# KiCad board apple-color-monitor-iie-a2m2056.kicad_pcb
title: Apple ColorMonitor IIe (A2M2056) "S Series"; date: 2026-06; rev: 42; company: Reverse engineered by Fred Sauer, 2026. Published under Apache 2 license.; note: https://github.com/fredsa/apple-color-monitor-iie-a2m2056; note: Measurements taken from working monitor display color bars on Apple II plus.; note: Flyback configuration possibly incorrect. Many component values unspecified.; note: CHASSIS NO.: TWE 3003-705-910, REV: 4
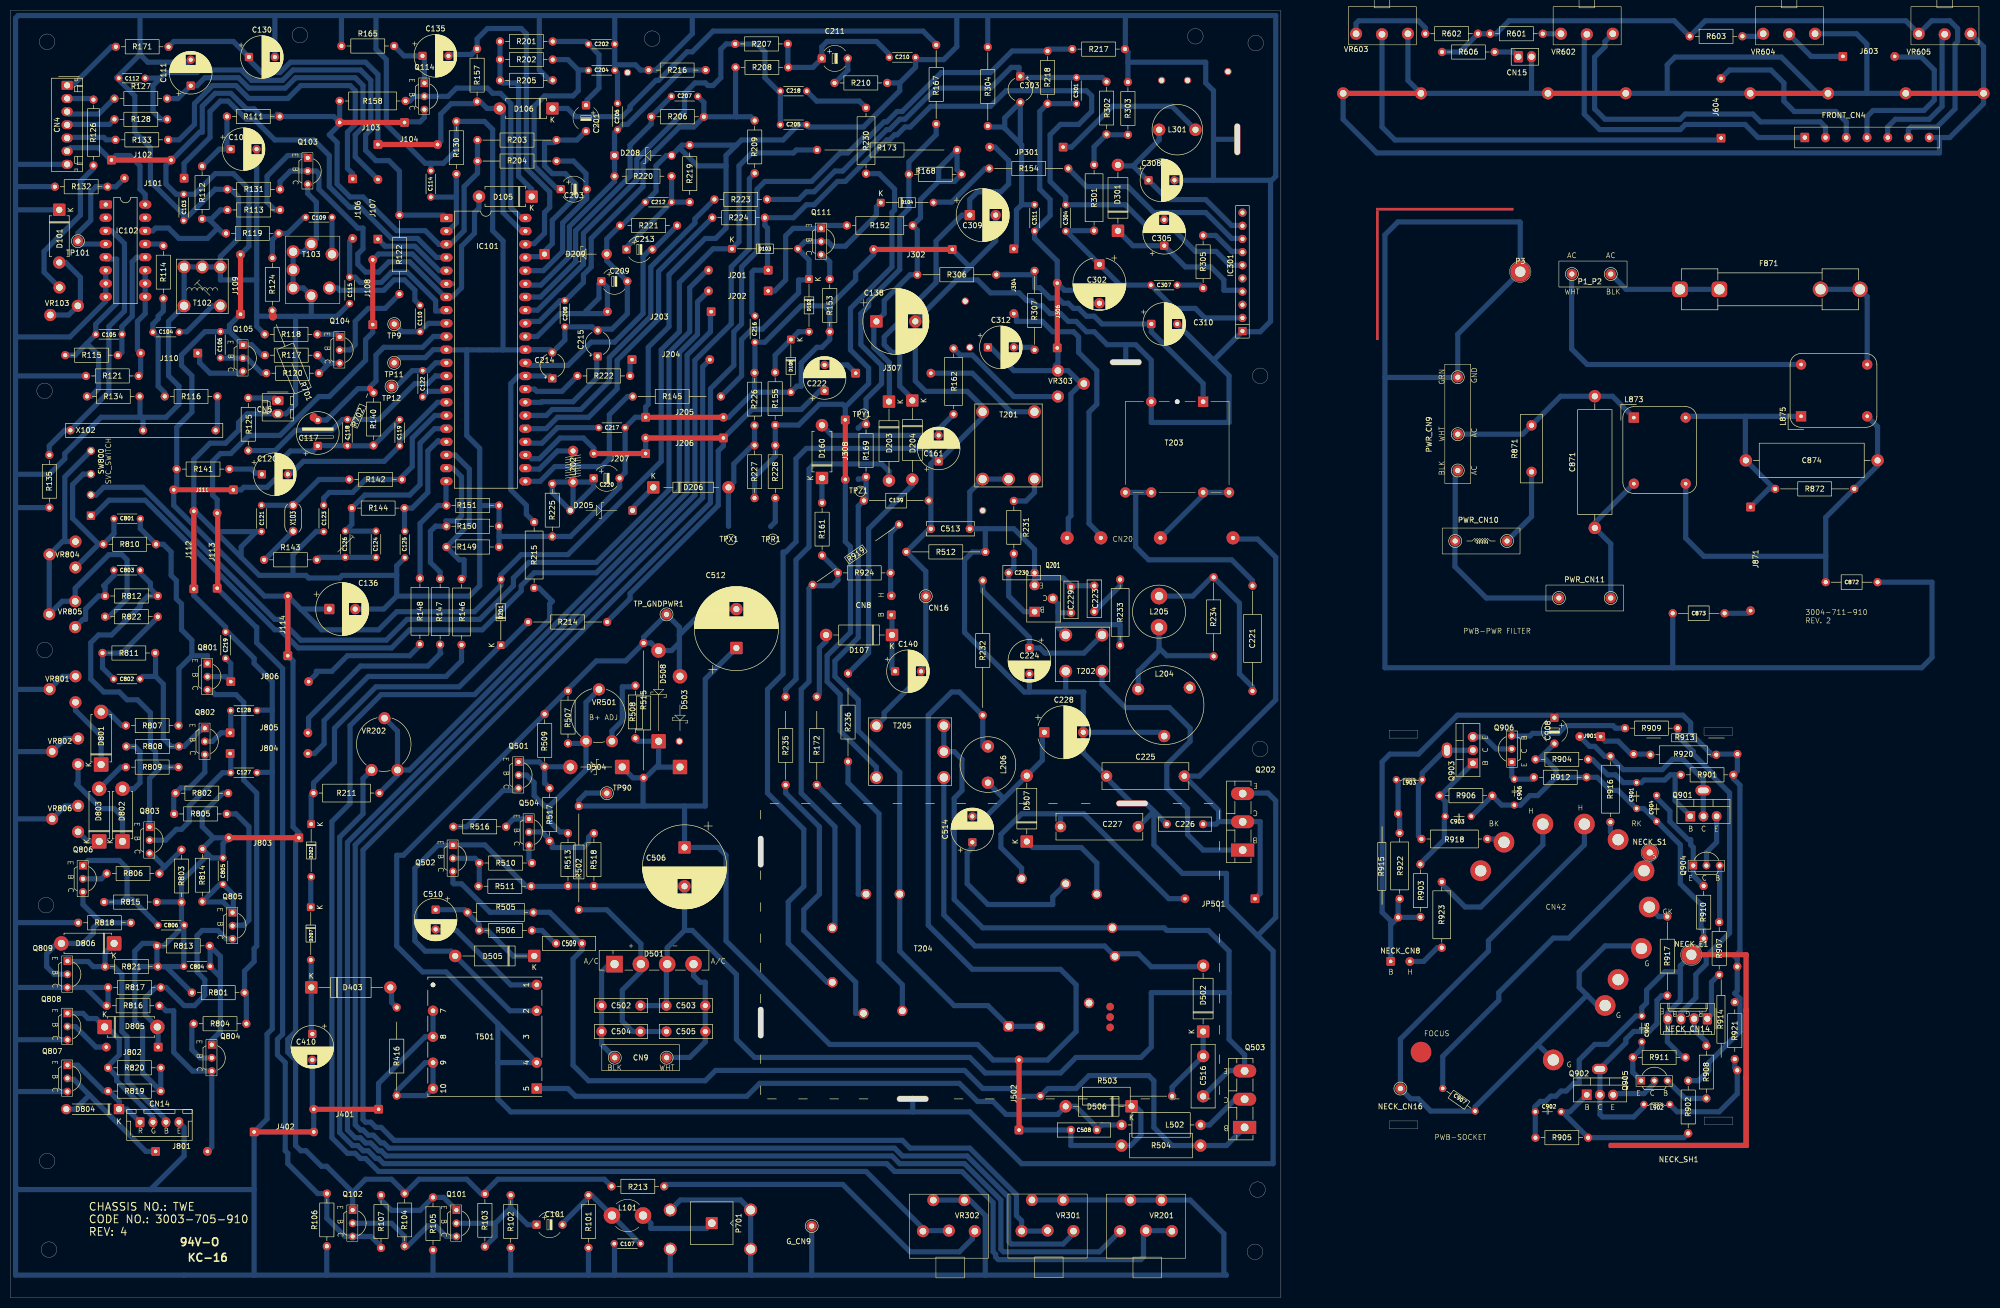
[diagram p0: board, top side]
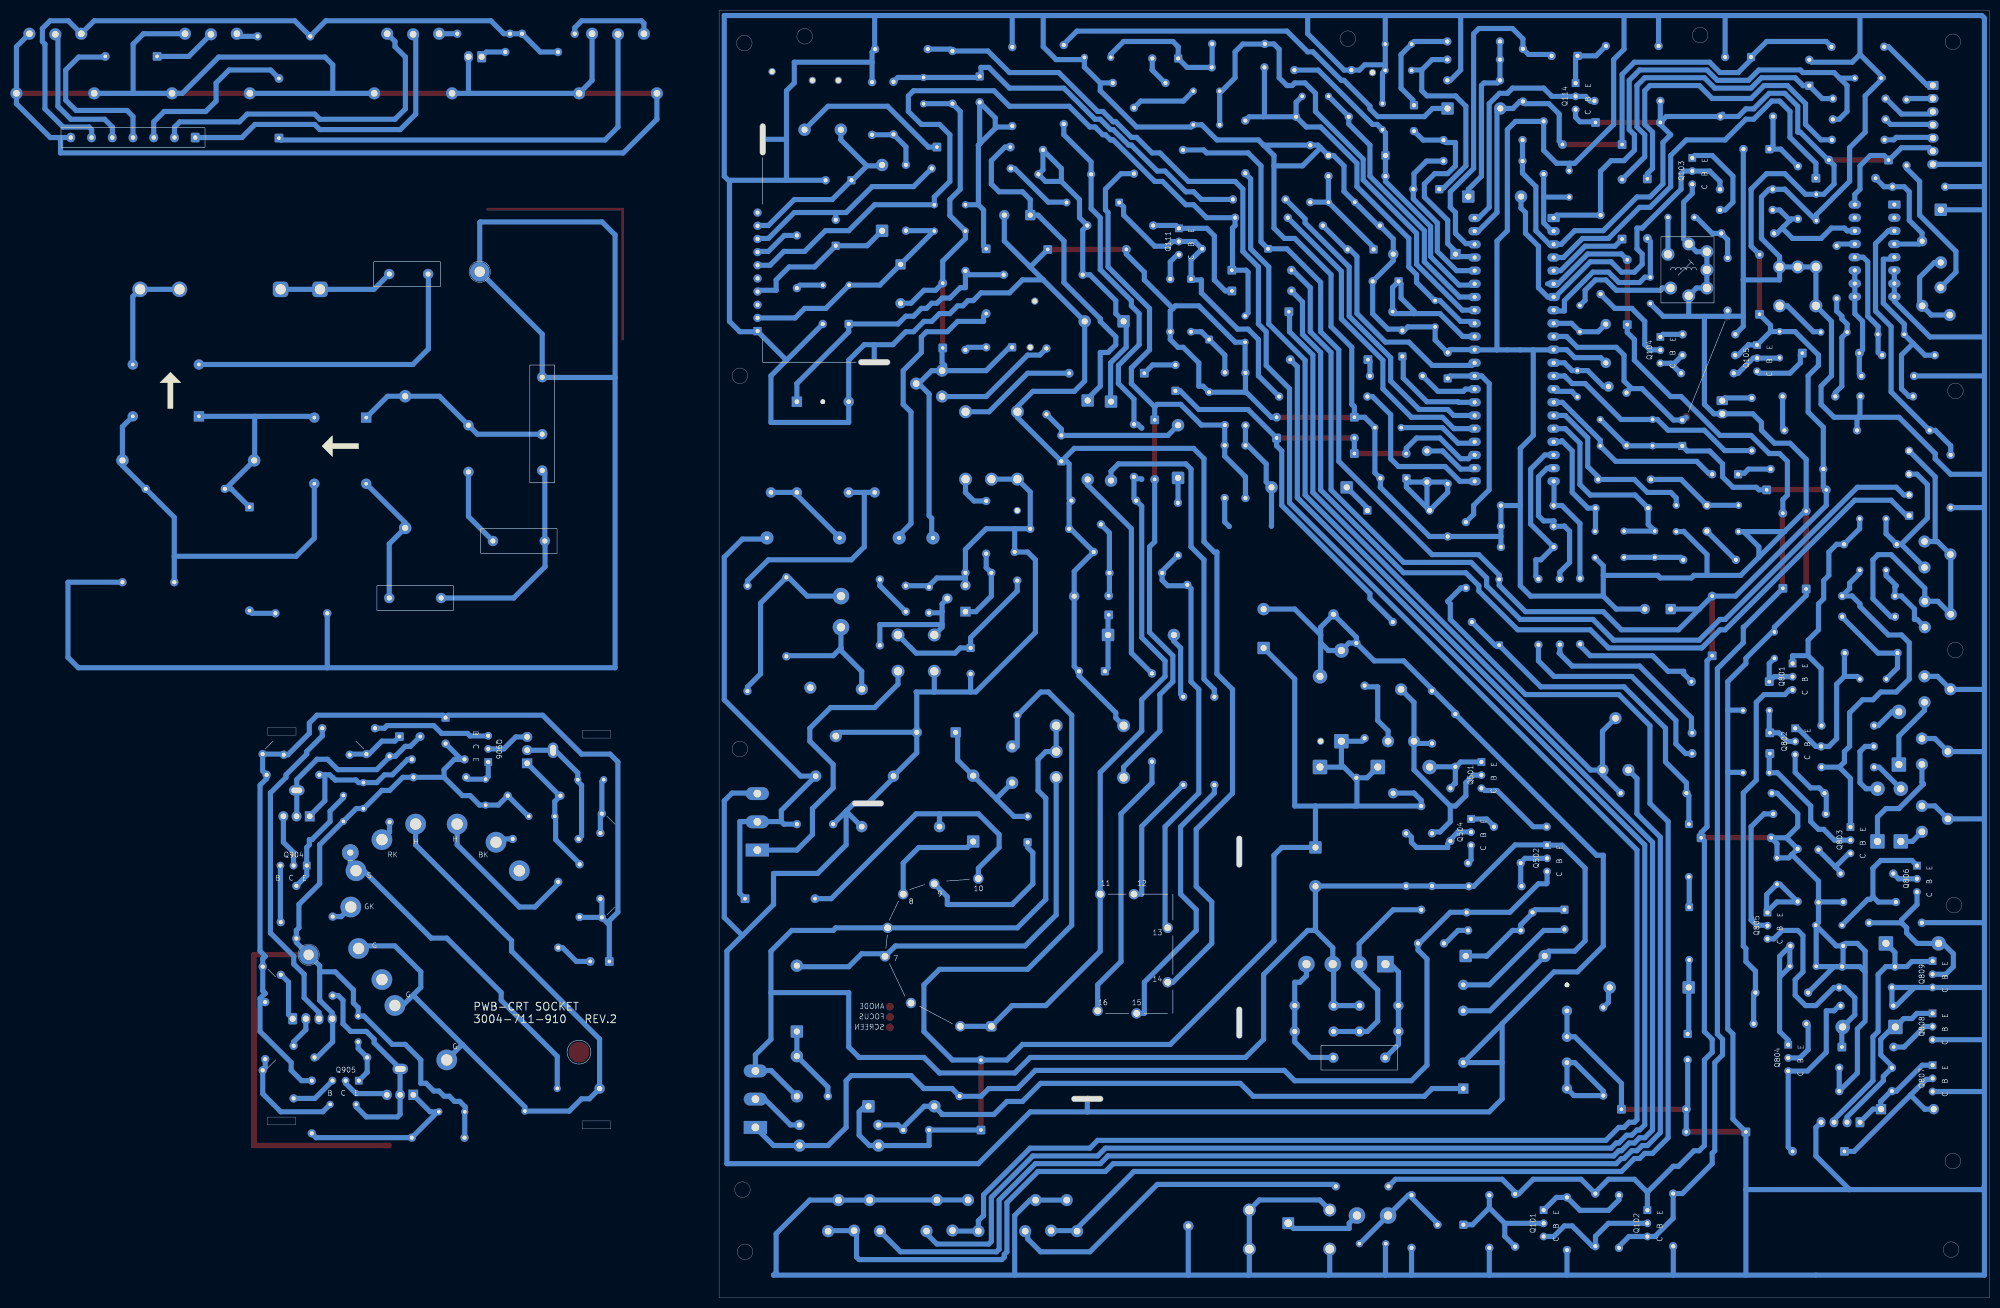
[diagram p1: board, bottom side, seen from below]

Outline 332.13 x 248.34 mm; copper layers: Top, Bottom. Coordinates in mm from the lower left corner of the outline.
Outline path: rectangle 0,248.34 245,0
Stack: Top 0.035mm / dielectric 1.51mm FR4 er 4.5 / Bottom 0.035mm

## Placement (name value [footprint] x y rotation side)
C101  47µF 50V  [CP_Radial_D5.0mm_P5.00mm]  101.47 14.07 0 top
C102  C  [CP_Radial_D8.0mm_P5.00mm]  42.47 221.57 0 top
C103  C_Small  [R_Axial_DIN0204_L3.6mm_D1.6mm_P5.08mm_Horizontal]  33.42 212.87 270 top
C104  C_Small  [R_Axial_DIN0204_L3.6mm_D1.6mm_P5.08mm_Horizontal]  27.48 186.27 0 top
C105  C_Small  [R_Axial_DIN0204_L3.6mm_D1.6mm_P5.08mm_Horizontal]  21.54 185.84 180 top
C106  C_Small  [R_Axial_DIN0204_L3.6mm_D1.6mm_P5.08mm_Horizontal]  40.5 181.3 90 top
C107  C_Small  [R_Axial_DIN0204_L3.6mm_D1.6mm_P5.08mm_Horizontal]  121.52 10.42 180 top
C109  C_Small  [R_Axial_DIN0204_L3.6mm_D1.6mm_P5.08mm_Horizontal]  62.03 208.42 180 top
C110  C_Small  [R_Axial_DIN0204_L3.6mm_D1.6mm_P5.08mm_Horizontal]  79 186.34 90 top
C111  C  [CP_Radial_D8.0mm_P5.00mm]  34.77 233.81 90 top
C112  C_Small  [R_Axial_DIN0204_L3.6mm_D1.6mm_P5.08mm_Horizontal]  26 235.27 180 top
C114  C_Small  [R_Axial_DIN0204_L3.6mm_D1.6mm_P5.08mm_Horizontal]  81.08 212.32 90 top
C115  C_Small  [R_Axial_DIN0204_L3.6mm_D1.6mm_P5.08mm_Horizontal]  65.42 196.87 270 top
C117  C  [CP_Radial_D8.0mm_P5.00mm]  59.28 164.31 90 top
C118  C_Small  [R_Axial_DIN0204_L3.6mm_D1.6mm_P5.08mm_Horizontal]  65 169.42 270 top
C119  C_Small  [R_Axial_DIN0204_L3.6mm_D1.6mm_P5.08mm_Horizontal]  75.08 164.32 90 top
C120  C  [CP_Radial_D8.0mm_P5.00mm]  48.5 158.84 0 top
C121  C_Small  [R_Axial_DIN0204_L3.6mm_D1.6mm_P5.08mm_Horizontal]  48.42 152.87 270 top
C122  C_Small  [R_Axial_DIN0204_L3.6mm_D1.6mm_P5.08mm_Horizontal]  79.5 178.84 270 top
C123  C_Small  [R_Axial_DIN0204_L3.6mm_D1.6mm_P5.08mm_Horizontal]  60.42 152.87 270 top
C124  C_Small  [R_Axial_DIN0204_L3.6mm_D1.6mm_P5.08mm_Horizontal]  70.5 142.8 90 top
C125  C_Small  [R_Axial_DIN0204_L3.6mm_D1.6mm_P5.08mm_Horizontal]  76.08 147.84 270 top
C126  C_Trim_Small  [R_Axial_DIN0204_L3.6mm_D1.6mm_P5.08mm_Horizontal]  64.58 142.82 90 top
C127  C_Small  [R_Axial_DIN0204_L3.6mm_D1.6mm_P5.08mm_Horizontal]  42.48 101.27 0 top
C128  C_Small  [R_Axial_DIN0204_L3.6mm_D1.6mm_P5.08mm_Horizontal]  42.48 113.27 0 top
C130  C  [CP_Radial_D8.0mm_P5.00mm]  46 239.34 0 top
C135  C  [CP_Radial_D8.0mm_P5.00mm]  79.47 239.57 0 top
C136  1000µF 16V  [CP_Radial_D10.0mm_P5.00mm]  61.5 132.84 0 top
C138  1000µF 25V  [CP_Radial_D12.5mm_P7.50mm]  167 188.34 0 top
C139  C  [C_Axial_L3.8mm_D2.6mm_P12.50mm_Horizontal]  164.57 153.77 0 top
C140  C  [CP_Radial_D8.0mm_P5.00mm]  170.6 120.84 0 top
C161  C  [CP_Radial_D8.0mm_P5.00mm]  179 161.34 90 top
C201  C  [CP_Radial_D5.0mm_P5.00mm]  111 230.04 270 top
C202  C_Small  [R_Axial_DIN0204_L3.6mm_D1.6mm_P5.08mm_Horizontal]  111.46 241.84 0 top
C203  C  [CP_Radial_D5.0mm_P5.00mm]  106.13 213.84 0 top
C204  C_Small  [R_Axial_DIN0204_L3.6mm_D1.6mm_P5.08mm_Horizontal]  111.48 236.77 0 top
C205  C_Small  [R_Axial_DIN0204_L3.6mm_D1.6mm_P5.08mm_Horizontal]  148.48 226.27 0 top
C206  C_Small  [R_Axial_DIN0204_L3.6mm_D1.6mm_P5.08mm_Horizontal]  117.08 225.32 90 top
C207  C_Small  [R_Axial_DIN0204_L3.6mm_D1.6mm_P5.08mm_Horizontal]  127.48 231.77 0 top
C208  C_Small  [R_Axial_DIN0204_L3.6mm_D1.6mm_P5.08mm_Horizontal]  106.92 192.37 270 top
C209  C  [CP_Radial_D5.0mm_P5.00mm]  113.97 196.07 0 top
C210  C_Small  [R_Axial_DIN0204_L3.6mm_D1.6mm_P5.08mm_Horizontal]  169.48 239.27 0 top
C211  C  [CP_Radial_D5.0mm_P5.00mm]  156.47 239.07 0 top
C212  C_Small  [R_Axial_DIN0204_L3.6mm_D1.6mm_P5.08mm_Horizontal]  127.5 211.34 180 top
C213  C  [CP_Radial_D5.0mm_P5.00mm]  118.8 202.22 0 top
C214  .22µF  [CP_Radial_Tantal_D4.5mm_P5.00mm]  104.5 177.34 90 top
C215  C  [CP_Radial_Tantal_D4.5mm_P5.00mm]  113.24 181.59 90 top
C216  C_Small  [R_Axial_DIN0204_L3.6mm_D1.6mm_P5.08mm_Horizontal]  143.57 184.32 90 top
C217  C_Small  [R_Axial_DIN0204_L3.6mm_D1.6mm_P5.08mm_Horizontal]  113.46 167.84 0 top
C218  C_Small  [R_Axial_DIN0204_L3.6mm_D1.6mm_P5.08mm_Horizontal]  148.48 232.77 0 top
C219  C_Small  [R_Axial_DIN0204_L3.6mm_D1.6mm_P5.08mm_Horizontal]  41.5 123.34 90 top
C220  47µF 16V  [CP_Radial_D5.0mm_P5.00mm]  112.47 158.07 0 top
C221  C_Small  [R_Axial_DIN0309_L9.0mm_D3.2mm_P20.32mm_Horizontal]  239.53 137.34 270 top
C222  C  [CP_Radial_D8.0mm_P5.00mm]  157 174.94 90 top
C223  C_Small  [C_Rect_L7.0mm_W2.5mm_P5.00mm]  209 132.34 90 top
C224  C  [CP_Radial_D8.0mm_P5.00mm]  196.5 125.34 270 top
C225  C_Small  [C_Rect_L16.5mm_W4.9mm_P15.00mm_MKT]  211.38 100.62 0 top
C226  C_Small  [C_Disc_D10.0mm_W2.5mm_P5.00mm]  223.5 91.34 0 top
C227  C_Small  [C_Rect_L16.5mm_W4.9mm_P15.00mm_MKT]  217.5 90.87 180 top
C228  C  [CP_Radial_D10.0mm_P7.50mm]  199.38 109.07 0 top
C229  C_Small  [C_Rect_L7.0mm_W2.5mm_P5.00mm]  204.52 132.12 90 top
C230  C_Small  [C_Rect_L7.0mm_W2.5mm_P5.00mm]  192.5 139.84 0 top
C301  C_Small  [R_Axial_DIN0204_L3.6mm_D1.6mm_P5.08mm_Horizontal]  205.57 230.32 90 top
C302  1000µF 25V  [CP_Radial_D10.0mm_P7.50mm]  210 199.34 270 top
C303  .22µF  [CP_Radial_Tantal_D4.5mm_P5.00mm]  194.75 235.6 270 top
C304  C_Small  [R_Axial_DIN0204_L3.6mm_D1.6mm_P5.08mm_Horizontal]  203.5 210.84 270 top
C305  100µF 35V  [CP_Radial_D8.0mm_P5.00mm]  222.5 202.94 90 top
C307  C_Small  [R_Axial_DIN0204_L3.6mm_D1.6mm_P5.08mm_Horizontal]  225 195.34 180 top
C308  1µF 50V  [CP_Radial_D8.0mm_P5.00mm]  219.47 215.57 0 top
C309  470µF 35V  [CP_Radial_D10.0mm_P5.00mm]  185 208.84 0 top
C310  33µF 50V  [CP_Radial_D8.0mm_P5.00mm]  220 187.84 0 top
C311  C_Small  [R_Axial_DIN0204_L3.6mm_D1.6mm_P5.08mm_Horizontal]  197.5 210.84 270 top
C312  47µF 35V  [CP_Radial_D8.0mm_P5.00mm]  188.5 183.34 0 top
C410  C  [CP_Radial_D8.0mm_P5.00mm]  58.22 50.87 270 top
C502  2.2nF  [C_Rect_L10.0mm_W2.5mm_P7.50mm_MKS4]  114 56.34 0 top
C503  2.2nF  [C_Rect_L10.0mm_W2.5mm_P7.50mm_MKS4]  134 56.34 180 top
C504  2.2nF  [C_Rect_L10.0mm_W2.5mm_P7.50mm_MKS4]  121.5 51.34 180 top
C505  2.2nF  [C_Rect_L10.0mm_W2.5mm_P7.50mm_MKS4]  126.5 51.34 0 top
C506  150µF 200WV  [CP_Radial_D16.0mm_P7.50mm]  130 86.85 270 top
C508  C_Small  [C_Disc_D10.0mm_W2.5mm_P5.00mm#2]  209.5 32.34 180 top
C509  C_Small  [C_Disc_D10.0mm_W2.5mm_P5.00mm#2]  110.23 68.34 180 top
C510  C  [CP_Radial_D8.0mm_P3.80mm]  82 74.84 270 top
C512  220µF 160V  [CP_Radial_D16.0mm_P7.50mm]  140 125.33 90 top
C513  C_Small  [C_Rect_L9.0mm_W2.5mm_P7.50mm_MKT]  177.5 148.32 0 top
C514  C  [CP_Radial_D8.0mm_P5.00mm]  185.5 87.84 90 top
C516  C_Small  [C_Disc_D12.0mm_W4.4mm_P7.75mm]  230 38.84 90 top
C801  C_Small  [R_Axial_DIN0204_L3.6mm_D1.6mm_P5.08mm_Horizontal]  19.98 150.27 0 top
C802  C_Small  [R_Axial_DIN0204_L3.6mm_D1.6mm_P5.08mm_Horizontal]  25 119.34 180 top
C803  C_Small  [R_Axial_DIN0204_L3.6mm_D1.6mm_P5.08mm_Horizontal]  25.04 140.34 180 top
C804  C_Small  [R_Axial_DIN0204_L3.6mm_D1.6mm_P5.08mm_Horizontal]  38.52 63.92 180 top
C805  C_Small  [R_Axial_DIN0204_L3.6mm_D1.6mm_P5.08mm_Horizontal]  41 84.84 270 top
C806  C_Small  [R_Axial_DIN0204_L3.6mm_D1.6mm_P5.08mm_Horizontal]  28.46 71.84 0 top
C871  .22µF  [R_Axial_Power_L20.0mm_W6.4mm_P25.40mm]  305.53 148.5 90 top
C872  10nF  [C_Axial_L3.8mm_D2.6mm_P10.00mm_Horizontal]  360.06 138.02 180 top
C873  10nF  [C_Axial_L3.8mm_D2.6mm_P10.00mm_Horizontal]  330.56 132.02 180 top
C874  .22µF  [R_Axial_Power_L20.0mm_W6.4mm_P25.40mm]  360.06 161.52 180 top
C901  C_Small  [_C_Axial_P5.0mm]  313.59 99.36 270 top
C902  C_Small  [_C_Axial_P5.0mm]  299.04 35.86 180 top
C903  C_Small  [_C_Axial_P5.0mm]  276.68 92.86 0 top
C904  C_Small  [_C_Axial_P5.0mm]  317.44 96.88 270 top
C905  C_Small  [_C_Axial_P5.0mm]  314.59 49.33 90 top
C906  C_Small  [_C_Axial_P5.0mm]  290.02 95.02 90 top
C907  C_Small  [R_Axial_DIN0204_L3.6mm_D1.6mm_P7.62mm_Horizontal]  276.21 40.36 325 top
C908  C  [CP_Radial_D5.0mm_P5.00mm]  297.74 111.89 270 top
CN4  Conn_01x07_Pin  [_Molex_1x07_P2.54mm_Vertical]  10.95 218.64 90 top
CN5  CN  [Molex_KK-254_AE-6410-02A_1x02_P2.54mm_Vertical]  51.55 173.05 270 top
CN8  Conn_01x02_Pin  [SolderWire-0.127sqmm_1x02_P3.7mm_D0.48mm_OD1mm]  169.88 131.72 90 top
CN9  Conn_01x02_Pin  [_Conn_01x02]  116.55 46.29 0 top
CN14  Conn_01x04_Pin  [JST_XH_B4B-XH-AM_1x04_P2.50mm_Vertical]  25 33.84 0 top
CN15  PWR LED  [Molex_KK-254_AE-6410-02A_1x02_P2.54mm_Vertical]  290.79 239.39 0 top
CN16  Conn_01x01_Pin  [Pin_D1.0mm_L10.0mm]  176.52 135.32 0 top
CN20  Conn_01x06_Pin  [_CN20_pins]  203.77 146.57 0 top
CN42  ~  [-crt-neck]  272.02 47.36 0 top
D101  D  [D_DO-15_P10.16mm_Horizontal]  9.43 209.87 270 top
D102  D  [D_DO-34_SOD68_P10.16mm_Horizontal]  154 196.5 270 top
D103  D  [D_DO-34_SOD68_P12.70mm_Horizontal]  139.15 202.34 0 top
D104  D  [D_DO-34_SOD68_P10.16mm_Horizontal]  167.84 211.27 0 top
D105  D  [D_DO-15_P10.16mm_Horizontal]  100.53 212.42 180 top
D106  D  [D_DO-15_P10.16mm_Horizontal]  104.53 229.42 180 top
D107  D  [D_DO-15_P12.70mm_Horizontal]  170 127.84 180 top
D108  D  [D_DO-34_SOD68_P10.16mm_Horizontal]  150.5 184.84 270 top
D160  D  [D_DO-15_P10.16mm_Horizontal]  156.5 158.14 90 top
D201  D  [D_DO-34_SOD68_P12.70mm_Horizontal]  94.58 125.87 90 top
D202  D  [D_DO-34_SOD68_P10.16mm_Horizontal]  58 91.34 270 top
D203  D  [D_DO-15_P15.24mm_Horizontal]  169.43 172.87 270 top
D204  D  [D_DO-15_P15.24mm_Horizontal]  173.93 173.08 270 top
D205  D_Zener  [_ZenerDiode_P10mm#4]  119.98 151.87 180 top
D206  D  [_D_P14.5mm]  123.98 156.32 0 top
D207  D  [D_DO-34_SOD68_P10.16mm_Horizontal]  57.92 75.32 270 top
D208  D_Zener  [_ZenerDiode_P10mm]  116.5 220.34 0 top
D209  D_Zener  [_ZenerDiode_P10mm#2]  103 201.32 0 top
D301  D  [D_DO-15_P12.70mm_Horizontal]  213.57 205.82 90 top
D403  D  [D_DO-15_P15.24mm_Horizontal]  58.03 59.84 0 top
D501  VALUE  [_DiodeBridge]  116.5 64.34 0 top
D502  D  [D_DO-15_P12.70mm_Horizontal]  230 51.34 90 top
D503  D_Schottky  [_SchotkyDiode_P17.5mm]  129.12 102.37 90 top
D504  D_Zener  [_ZenerDiode_P10mm#3]  117.98 102.37 180 top
D505  D  [D_DO-15_P15.24mm_Horizontal]  101.03 65.92 180 top
D506  D  [D_DO-15_P12.70mm_Horizontal]  216.2 36.92 180 top
D507  D  [D_DO-15_P12.70mm_Horizontal]  196 87.99 90 top
D508  D_Schottky  [_SchotkyDiode_P17.5mm]  125 107.34 90 top
D801  D  [D_5W_P10.16mm_Horizontal#2]  17.5 102.84 90 top
D802  D  [D_5W_P10.16mm_Horizontal#2]  21.62 88.02 90 top
D803  D  [D_5W_P10.16mm_Horizontal#2]  17.12 88.02 90 top
D804  D  [D_5W_P10.16mm_Horizontal]  20.94 36.36 180 top
D805  D  [D_5W_P10.16mm_Horizontal#2]  18.17 52.22 0 top
D806  D  [D_5W_P10.16mm_Horizontal#2]  20 68.34 180 top
F871  250V 3A  [Fuseholder_Clip-6.3x32mm_Littelfuse_102071_Inline_P34.70x7.60mm_D2.00mm_Horizontal]  321.96 194.52 0 top
FRONT_CN4  CN  [-connector_front_controls_01x07]  346.02 223.81 0 top
G_CN9  Conn_01x01_Pin  [Pin_D1.0mm_L10.0mm#2]  154.52 13.82 0 top
IC101  ~  [DIP-42_W15.24mm_LongPads]  84.08 208.29 0 top
IC102  CD4053B  [DIP-16_W7.62mm_LongPads]  18.38 210.88 0 top
IC301  ~  [R_Array_SIP10]  237.58 186.47 90 top
J101  Jumper_2_Bridged  [_Jumper_11mm]  33.5 215.97 180 top
J102  Jumper_2_Bridged  [_Jumper_11mm]  19.5 219.47 0 top
J103  Jumper_2_Bridged  [_Jumper_12mm]  76 226.72 180 top
J104  Jumper_2_Bridged  [_Jumper_11mm]  70.88 222.47 0 top
J106  Jumper_2_Bridged  [_Jumper_11mm]  66 215.84 270 top
J107  Jumper_2_Bridged  [_Jumper_11mm]  70.88 204.22 90 top
J108  Jumper_2_Bridged  [_Jumper_13mm#6]  69.88 187.72 90 top
J109  Jumper_2_Bridged  [_Jumper_13mm#2]  44.38 189.72 90 top
J110  Jumper_2_Bridged  [_Jumper_13mm#4]  36.12 182.22 180 top
J111  Jumper_2_Bridged  [_Jumper_13mm#2]  43 155.84 180 top
J112  Jumper_2_Bridged  [_Jumper_15mm]  35.38 136.72 90 top
J113  Jumper_2_Bridged  [_Jumper_13mm]  39.88 136.84 90 top
J114  Jumper_2_Bridged  [_Jumper_11mm]  53.5 123.84 90 top
J201  Jumper_2_Bridged  [_Jumper_11mm]  146.12 198.22 180 top
J202  Jumper_2_Bridged  [_Jumper_11mm]  146.12 194.22 180 top
J203  Jumper_2_Bridged  [_Jumper_20mm]  135.12 190.22 180 top
J204  Jumper_2_Bridged  [_Jumper_15mm]  119.87 180.97 0 top
J205  Jumper_2_Bridged  [_Jumper_15mm]  122.5 169.84 0 top
J206  Jumper_2_Bridged  [_Jumper_15mm]  137.5 165.84 180 top
J207  Jumper_2_Bridged  [_Jumper_10mm]  122.5 162.84 180 top
J302  Jumper_2_Bridged  [_Jumper_13mm#7]  181.62 202.22 180 top
J304  Jumper_2_Bridged  [_Jumper_13mm#6]  193.5 202.34 270 top
J306  Jumper_2_Bridged  [_Jumper_13mm#6]  201.88 183.22 90 top
J307  Jumper_2_Bridged  [_Jumper_13mm]  163 178.34 0 top
J308  Jumper_2_Bridged  [_Jumper_13mm#2]  161 169.34 270 top
J401  Jumper_2_Bridged  [_Jumper_12mm]  71 36.34 180 top
J402  Jumper_2_Bridged  [_Jumper_11mm]  47 31.97 0 top
J502  Jumper_2_Bridged  [_Jumper_13mm#3]  194.5 32.34 90 top
J603  Jumper_2_Bridged  [_Jumper_10mm]  353.37 239.46 0 top
J604  Jumper_2_Bridged  [_Jumper_11mm]  329.87 223.71 90 top
J801  Jumper_2_Bridged  [_Jumper_10mm]  28 28.22 0 top
J802  Jumper_2_Bridged  [_Jumper_10mm]  28.5 48.34 180 top
J803  Jumper_2_Bridged  [_Jumper_13mm#3]  55.62 88.72 180 top
J804  Jumper_2_Bridged  [_Jumper_15mm]  42.38 104.97 0 top
J805  Jumper_2_Bridged  [_Jumper_15mm]  42.38 108.97 0 top
J806  Jumper_2_Bridged  [_Jumper_15mm]  42.5 118.84 0 top
J871  Jumper_2_Bridged  [_Jumper_20mm]  335.56 152.52 270 top
J901  Jumper_2_Bridged  [_Jumper_4mm]  306.64 108.23 180 top
JP301  Jumper_2_Bridged  [_Jumper_13mm#5]  203 221.97 180 top
JP501  Jumper_2_Bridged  [_Jumper_13mm#3]  240 76.97 180 top
L101  L  [L_Radial_D12.0mm_P6.00mm_Murata_1900R]  122 15.84 180 top
L202  L  [_L_Horiz_P6mm]  108.5 157.34 90 top
L204  H.WIDTH  [Potentiometer_Piher_PT-15-V02_Vertical]  217.55 121.81 270 top
L205  L  [L_Radial_D12.0mm_P6.00mm_Murata_1900R]  221.5 135.34 270 top
L206  L  [L_Radial_D12.5mm_P7.00mm_Fastron_09HCP]  188.5 106.34 270 top
L301  L  [L_Radial_D12.5mm_P7.00mm_Fastron_09HCP]  221.52 225.32 0 top
L502  L_Small  [L_Axial_L11.0mm_D4.5mm_P15.24mm_Horizontal_Fastron_MECC]  214.27 33.32 0 top
L873  L_Coupled  [_choke-pwr-board]  313.06 169.77 0 top
L875  L_Coupled  [_choke-pwr-board]  345.31 170.02 90 top
L902  L  [_L_Axial_P5.0mm]  314.99 37.28 0 top
L903  L  [_L_Axial_P5.0mm]  267.25 99.92 0 top
NECK_CN8  Conn_01x02_Pin  [SolderWire-0.127sqmm_1x02_P3.7mm_D0.48mm_OD1mm]  266.17 64.86 0 top
NECK_CN14  Conn_01x04_Socket  [Molex_KK-254_AE-6410-04A_1x04_P2.54mm_Vertical]  327.22 53.8 180 top
NECK_CN16  Conn_01x01_Pin  [Pin_D1.0mm_L10.0mm]  268.04 40.33 0 top
NECK_E1  Conn_01x01_Pin  [-SolderWire]  324.15 66.15 0 top
NECK_S1  Conn_01x01_Pin  [-SolderWire#2]  316.12 85.86 0 top
NECK_SH1  Metal Shield  [Laird_Technologies_BMI-S-103_26.21x26.21mm]  321.69 42.36 0 top
P1_P2  IN PUT  [-Connector_01x02XP10.0mm#2]  301.11 197.47 0 top
P3  Conn_01x01_Pin  [-SolderWire]  291.15 197.92 0 top
P701  VIDEO IN  [SMA_Amphenol_901-143_Horizontal]  135.25 14.37 180 top
PWR_CN9  Conn_01x03_Pin  [-Connector_01x03]  279.11 159.57 90 top
PWR_CN10  L871  [-Connector_01x02XP10.0mm]  278.61 145.97 0 top
PWR_CN11  SW871  [-Connector_01x02XP10.0mm]  298.61 134.97 0 top
Q101  C945  [-Transistor_EBC-NPN]  86 16.88 270 top
Q102  A733  [-Transistor_EBC-PNP]  66 16.88 270 top
Q103  A733  [-Transistor_EBC-PNP]  57.34 219.88 270 top
Q104  C945  [-Transistor_EBC-NPN]  63.5 185.34 270 top
Q105  A733  [-Transistor_EBC-PNP]  44.84 183.79 270 top
Q111  A642  [-Transistor_EBC-NPN]  156.34 206.29 270 top
Q114  C945  [-Transistor_EBC-NPN]  79.84 234.29 270 top
Q201  C1507  [TO-220-3_Vertical]  197.5 132.34 90 top
Q202  D1398  [TO-3P-3_Vertical]  237.62 86.34 90 top
Q501  A709  [-Transistor_EBC-PNP]  98 103.34 270 top
Q502  C1008  [-Transistor_EBC-NPN]  85.34 87.29 270 top
Q503  C3042  [_TO-3P-3_Vertical_BCE]  234.61 30.3 0 top
Q504  A709  [-Transistor_EBC-PNP]  100 92.34 270 top
Q801  C945  [-Transistor_EBC-NPN]  38 122.34 270 top
Q802  C945  [-Transistor_EBC-NPN]  37.5 109.84 270 top
Q803  C945  [-Transistor_EBC-NPN]  26.84 90.79 270 top
Q804  A733  [-Transistor_EBC-PNP]  38.84 48.79 270 top
Q805  A733  [-Transistor_EBC-PNP]  42.84 74.29 270 top
Q806  A733  [-Transistor_EBC-PNP]  14 83.34 270 top
Q807  A733  [-Transistor_EBC-PNP]  11 44.84 270 top
Q808  A733  [-Transistor_EBC-PNP]  11 54.84 270 top
Q809  A733  [-Transistor_EBC-PNP]  11 64.92 270 top
Q901  C1507  [-TO-220-3_Vertical-BCE_FIN]  323.94 92.86 0 top
Q902  C1507  [-TO-220-3_Vertical-BCE_FIN]  303.98 39.12 0 top
Q903  C1507  [-TO-220-3_Vertical-BCE_FIN]  282.02 103.09 90 top
Q904  C2330  [-Transistor_ECB-NPN]  324.52 83.36 0 top
Q905  C2330  [-Transistor_ECB-NPN]  314.48 41.86 0 top
Q906  C2330  [-Transistor_ECB-NPN]  289.52 103.32 90 top
R101  R  [R_Axial_DIN0207_L6.3mm_D2.5mm_P10.16mm_Horizontal]  111.48 19.77 270 top
R102  R  [R_Axial_DIN0207_L6.3mm_D2.5mm_P10.16mm_Horizontal]  96.47 19.77 270 top
R103  R  [R_Axial_DIN0207_L6.3mm_D2.5mm_P10.16mm_Horizontal]  91.5 9.84 90 top
R104  R  [R_Axial_DIN0207_L6.3mm_D2.5mm_P10.16mm_Horizontal]  76.03 9.92 90 top
R105  R  [R_Axial_DIN0207_L6.3mm_D2.5mm_P10.16mm_Horizontal]  81.5 19.34 270 top
R106  R  [R_Axial_DIN0207_L6.3mm_D2.5mm_P10.16mm_Horizontal]  61.03 9.92 90 top
R107  R  [R_Axial_DIN0207_L6.3mm_D2.5mm_P10.16mm_Horizontal]  71.47 19.77 270 top
R111  R  [R_Axial_DIN0207_L6.3mm_D2.5mm_P10.16mm_Horizontal]  51.92 227.87 180 top
R112  R  [R_Axial_DIN0207_L6.3mm_D2.5mm_P10.16mm_Horizontal]  36.98 218.27 270 top
R113  R  [R_Axial_DIN0207_L6.3mm_D2.5mm_P10.16mm_Horizontal]  52 209.84 180 top
R114  R  [R_Axial_DIN0207_L6.3mm_D2.5mm_P10.16mm_Horizontal]  29.5 192.76 90 top
R115  R  [R_Axial_DIN0207_L6.3mm_D2.5mm_P10.16mm_Horizontal]  10.57 181.82 0 top
R116  R  [R_Axial_DIN0207_L6.3mm_D2.5mm_P10.16mm_Horizontal]  39.92 173.87 180 top
R117  R  [R_Axial_DIN0207_L6.3mm_D2.5mm_P10.16mm_Horizontal]  49.08 181.82 0 top
R118  R  [R_Axial_DIN0207_L6.3mm_D2.5mm_P10.16mm_Horizontal]  59.2 185.84 180 top
R119  R  [R_Axial_DIN0207_L6.3mm_D2.5mm_P10.16mm_Horizontal]  41.58 205.32 0 top
R120  R  [R_Axial_DIN0207_L6.3mm_D2.5mm_P10.16mm_Horizontal]  49.34 178.34 0 top
R121  R  [R_Axial_DIN0207_L6.3mm_D2.5mm_P10.16mm_Horizontal]  14.58 177.82 0 top
R122  R  [R_Axial_DIN0207_L6.3mm_D2.5mm_P15.24mm_Horizontal]  75.03 208.84 270 top
R124  R  [R_Axial_DIN0207_L6.3mm_D2.5mm_P10.16mm_Horizontal]  50.53 190.42 90 top
R125  15kΩ  [R_Axial_DIN0207_L6.3mm_D2.5mm_P10.16mm_Horizontal]  45.88 163.42 90 top
R126  R  [R_Axial_DIN0309_L9.0mm_D3.2mm_P12.70mm_Horizontal]  16.02 218.42 90 top
R127  R  [R_Axial_DIN0207_L6.3mm_D2.5mm_P10.16mm_Horizontal]  20.08 231.32 0 top
R128  R  [R_Axial_DIN0207_L6.3mm_D2.5mm_P10.16mm_Horizontal]  20.08 227.32 0 top
R130  R  [R_Axial_DIN0207_L6.3mm_D2.5mm_P10.16mm_Horizontal]  86 216.76 90 top
R131  R  [R_Axial_DIN0207_L6.3mm_D2.5mm_P10.16mm_Horizontal]  52 213.82 180 top
R132  R  [R_Axial_DIN0207_L6.3mm_D2.5mm_P10.16mm_Horizontal]  8.57 214.32 0 top
R133  R  [R_Axial_DIN0207_L6.3mm_D2.5mm_P10.16mm_Horizontal]  30.42 223.37 180 top
R134  R  [R_Axial_DIN0207_L6.3mm_D2.5mm_P10.16mm_Horizontal]  24.92 173.87 180 top
R135  R  [R_Axial_DIN0207_L6.3mm_D2.5mm_P10.16mm_Horizontal]  7.52 152.42 90 top
R140  220kΩ  [R_Axial_DIN0207_L6.3mm_D2.5mm_P10.16mm_Horizontal]  70.03 164.42 90 top
R141  3.9kΩ  [R_Axial_DIN0207_L6.3mm_D2.5mm_P10.16mm_Horizontal]  32.08 159.84 0 top
R142  R  [R_Axial_DIN0207_L6.3mm_D2.5mm_P10.16mm_Horizontal]  75.5 157.84 180 top
R143  R  [R_Axial_DIN0207_L6.3mm_D2.5mm_P10.16mm_Horizontal]  48.92 142.34 0 top
R144  R  [R_Axial_DIN0207_L6.3mm_D2.5mm_P10.16mm_Horizontal]  76 152.32 180 top
R145  R  [_R_Axial_P17.0mm]  120 173.84 0 top
R146  R  [R_Axial_DIN0309_L9.0mm_D3.2mm_P12.70mm_Horizontal]  87 125.94 90 top
R147  R  [R_Axial_DIN0309_L9.0mm_D3.2mm_P12.70mm_Horizontal]  82.88 138.69 270 top
R148  R  [R_Axial_DIN0309_L9.0mm_D3.2mm_P12.70mm_Horizontal]  78.97 138.77 270 top
R149  R  [R_Axial_DIN0207_L6.3mm_D2.5mm_P10.16mm_Horizontal]  84.08 144.82 0 top
R150  R  [R_Axial_DIN0207_L6.3mm_D2.5mm_P10.16mm_Horizontal]  84.08 148.82 0 top
R151  R  [R_Axial_DIN0207_L6.3mm_D2.5mm_P10.16mm_Horizontal]  84.08 152.82 0 top
R152  R  [R_Axial_DIN0309_L9.0mm_D3.2mm_P12.70mm_Horizontal]  174 206.84 180 top